# Altium PCB bas_Pcb.PcbDoc (part 1 of 2)
Units mil, origin at the board's own origin, x right, y up, seen from the top; angles counter-clockwise.
Board outline 4560 x 3935 mil, 4 copper layers (Top Layer, Int1 (GND), Int2 (PWR), Bottom Layer), stack 53.912 mil thick; 125 components, 87 nets, 449 pads, 123 vias.
Unrouted connection lines stored in the file: 1.
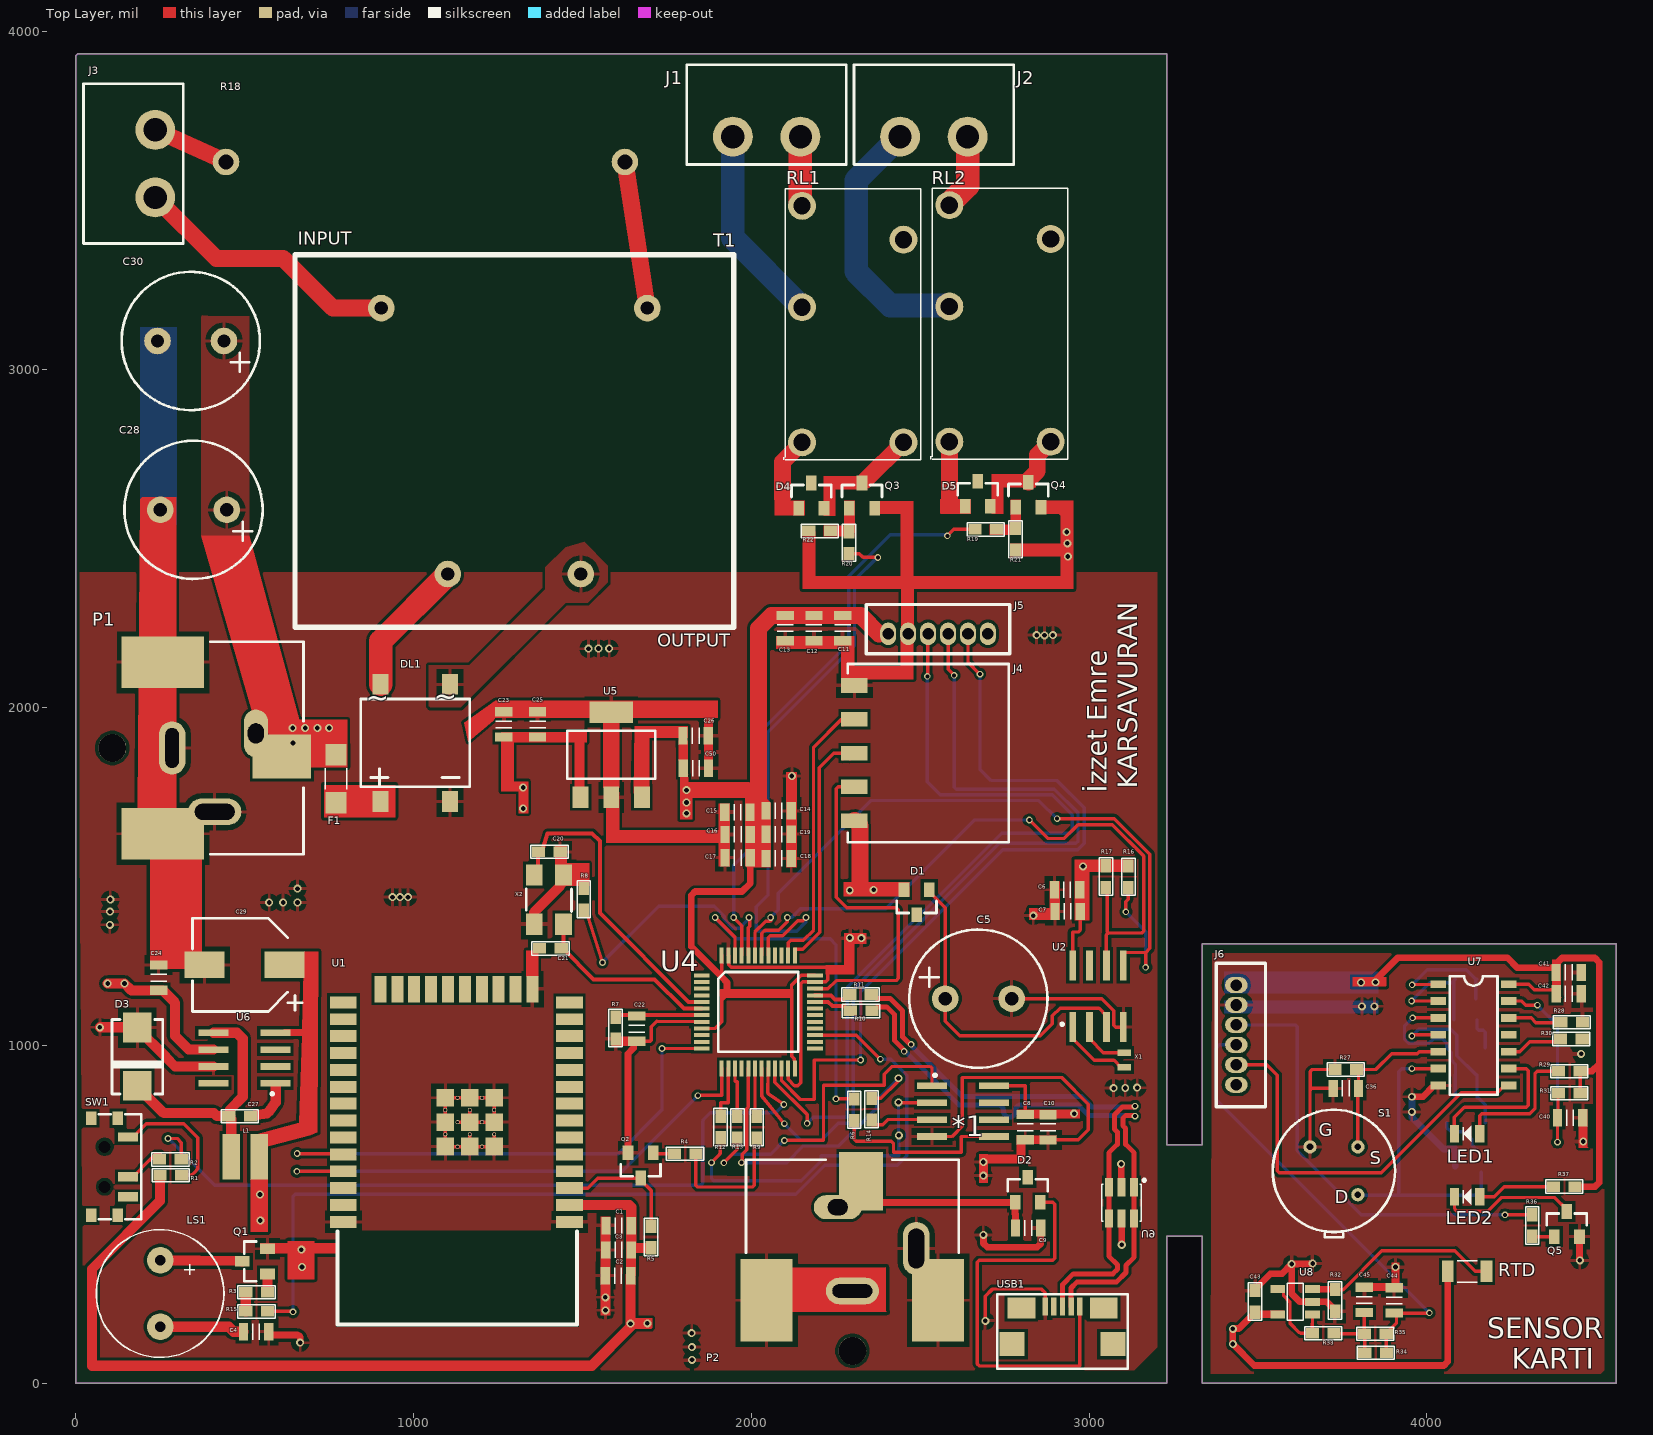
[diagram p0: Top Layer view]
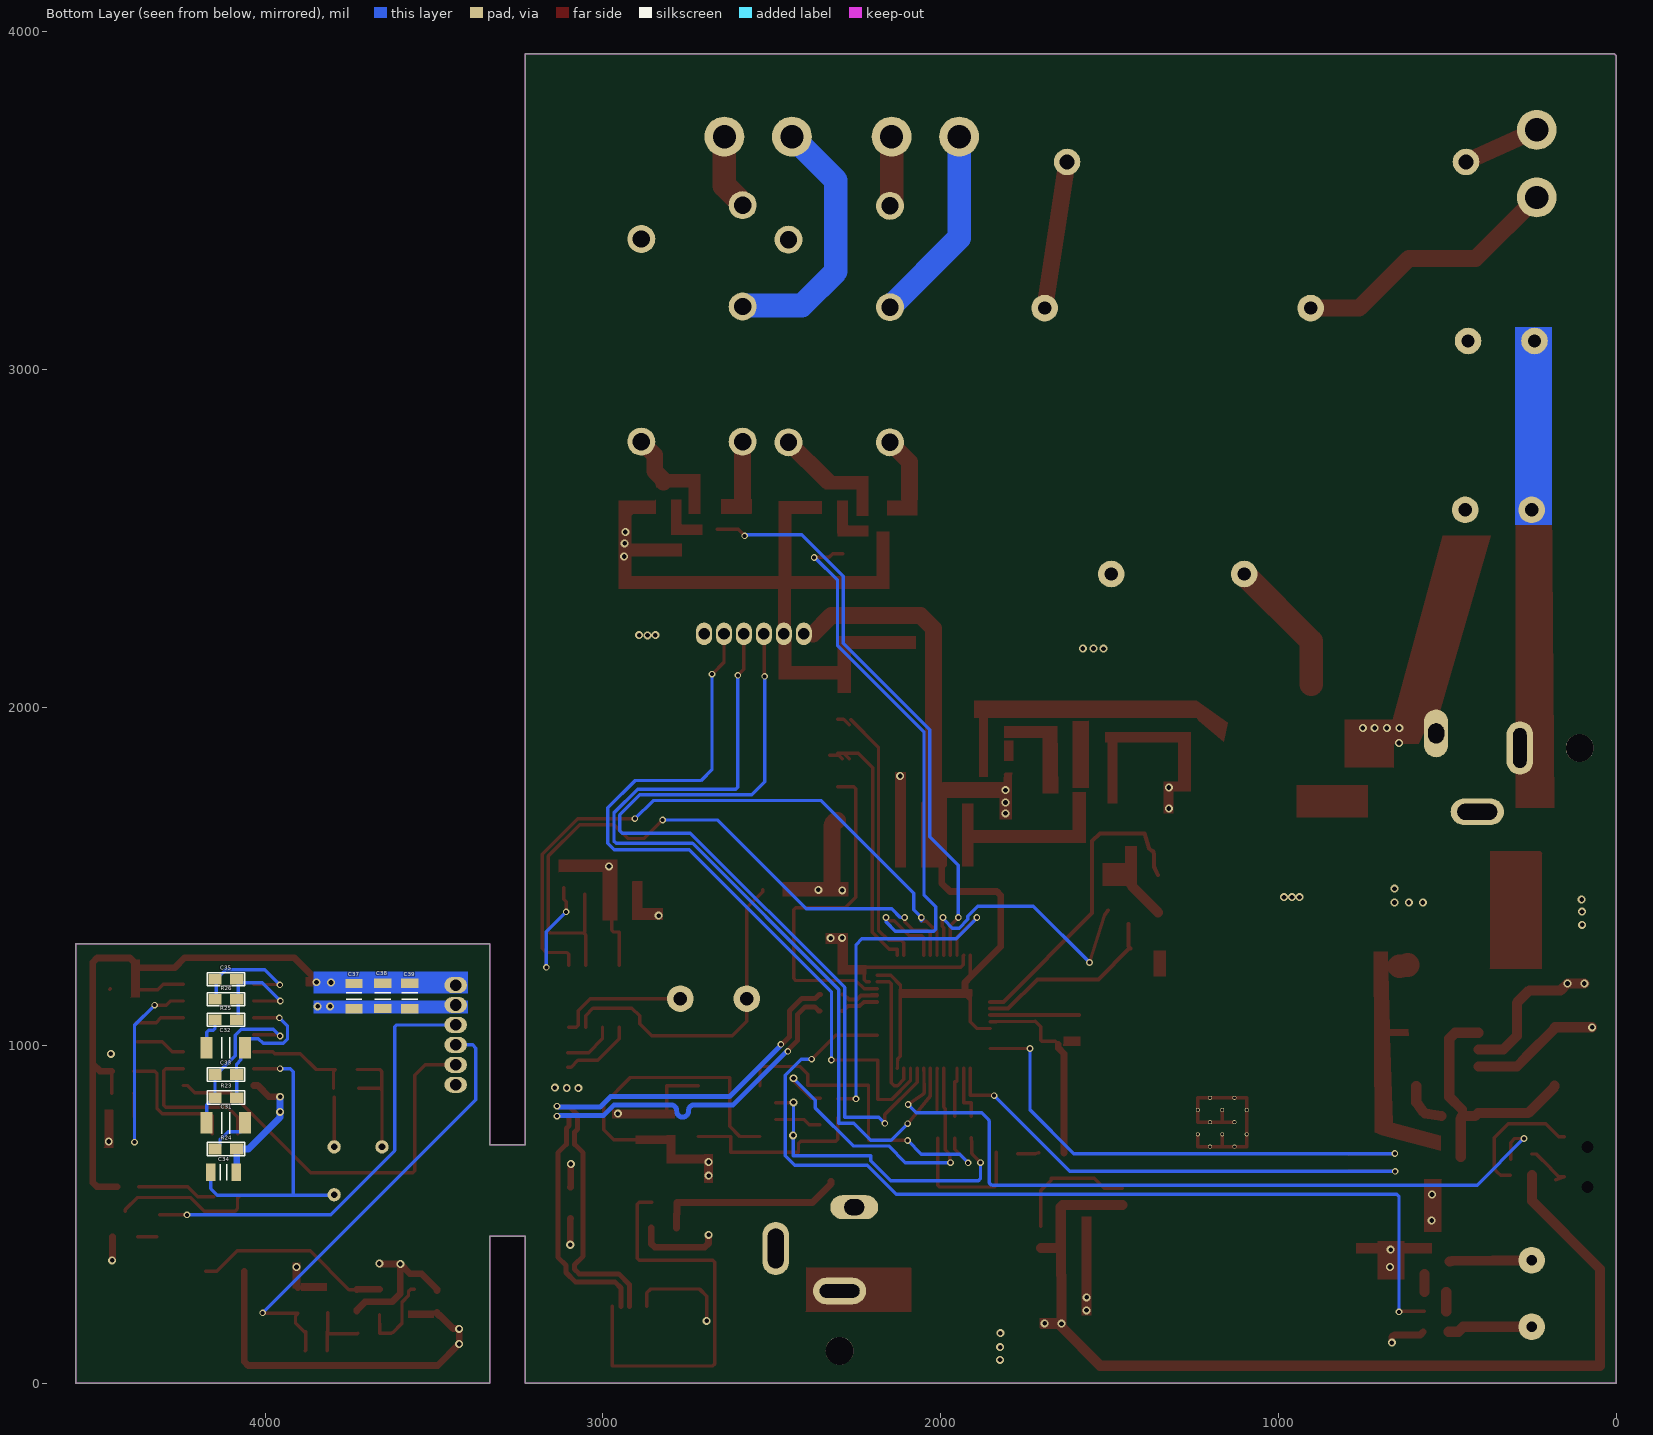
[diagram p1: Bottom Layer view, seen from below]
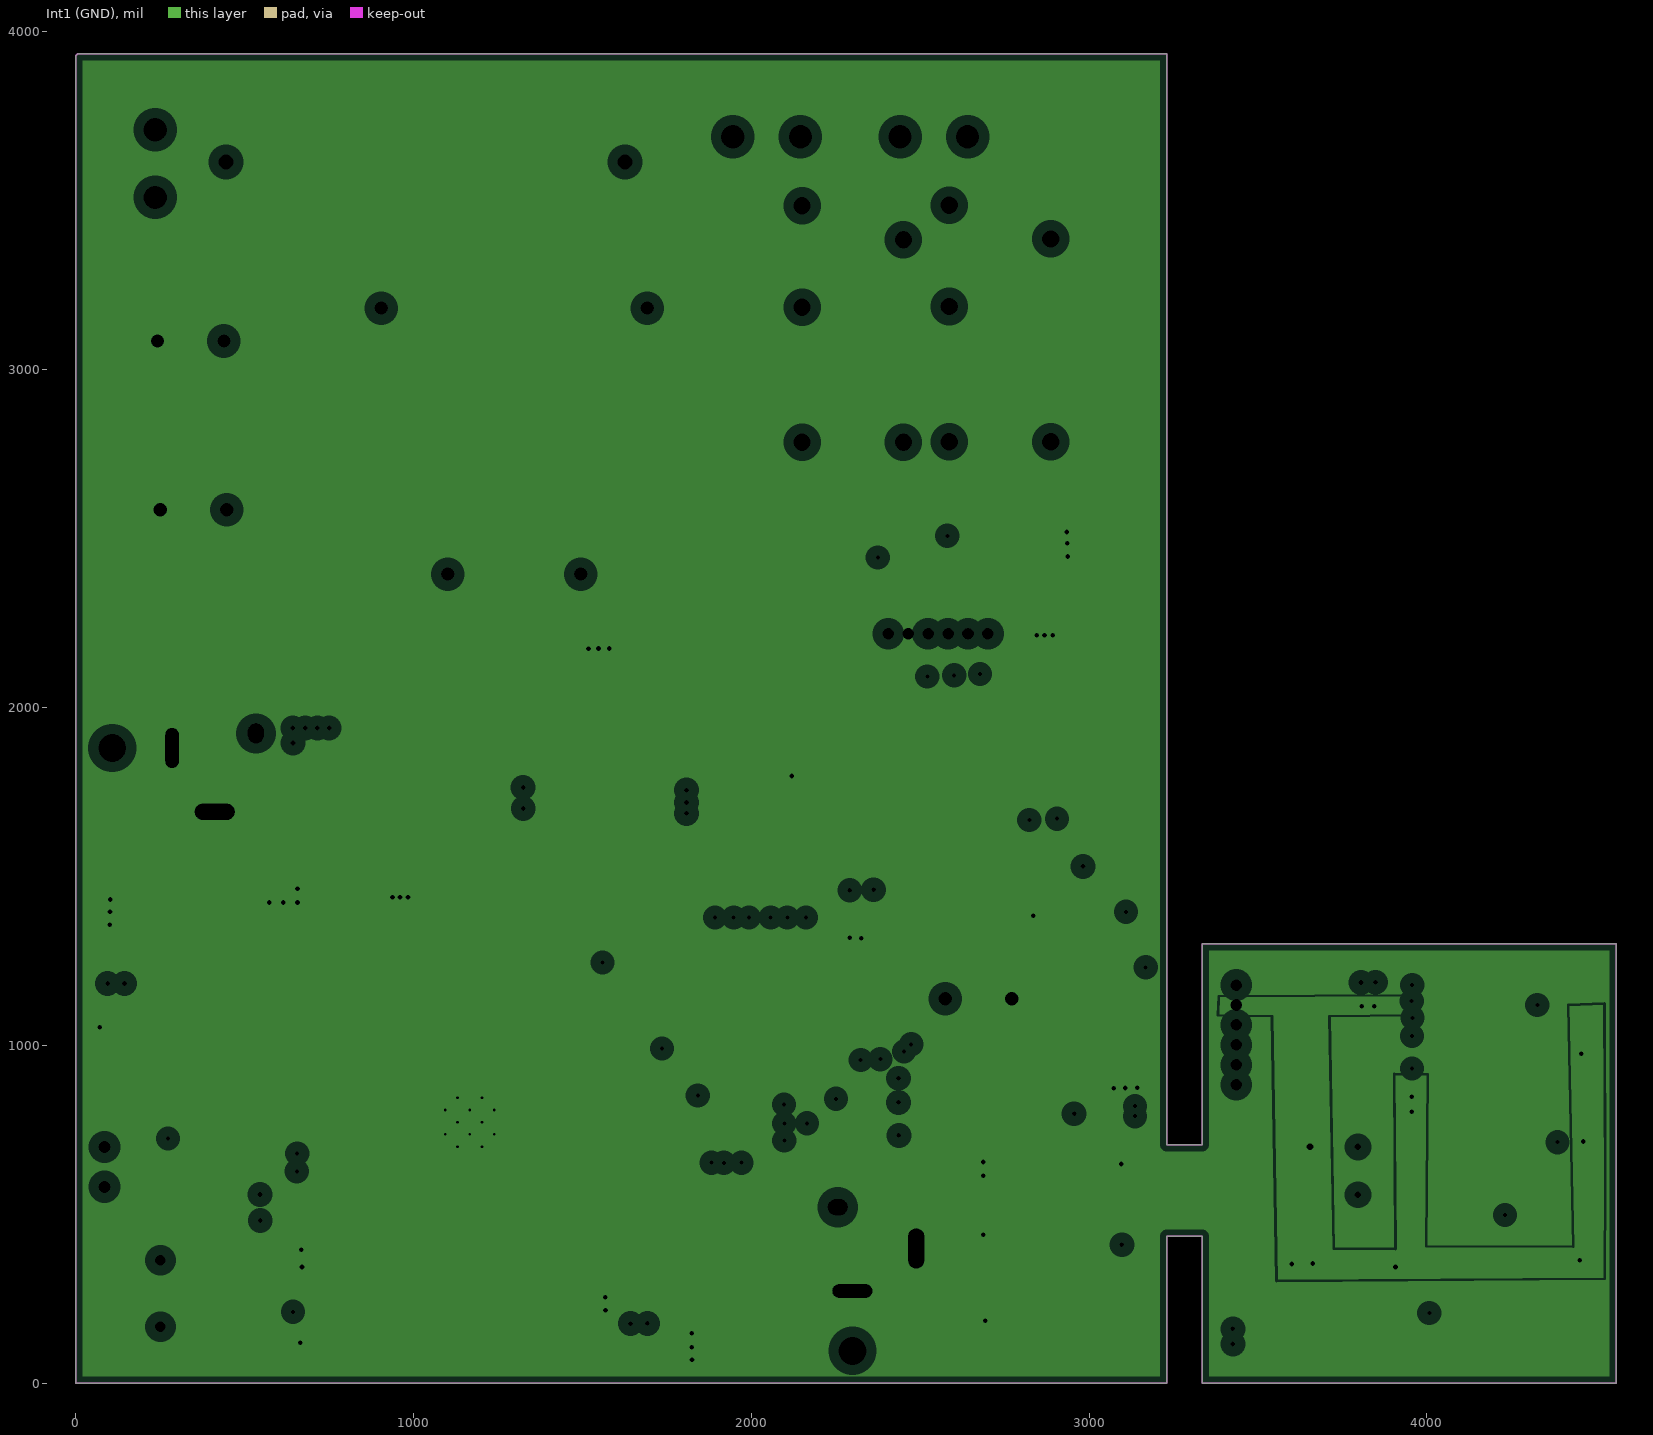
[diagram p2: Int1 (GND), clearances drawn from the general rule]
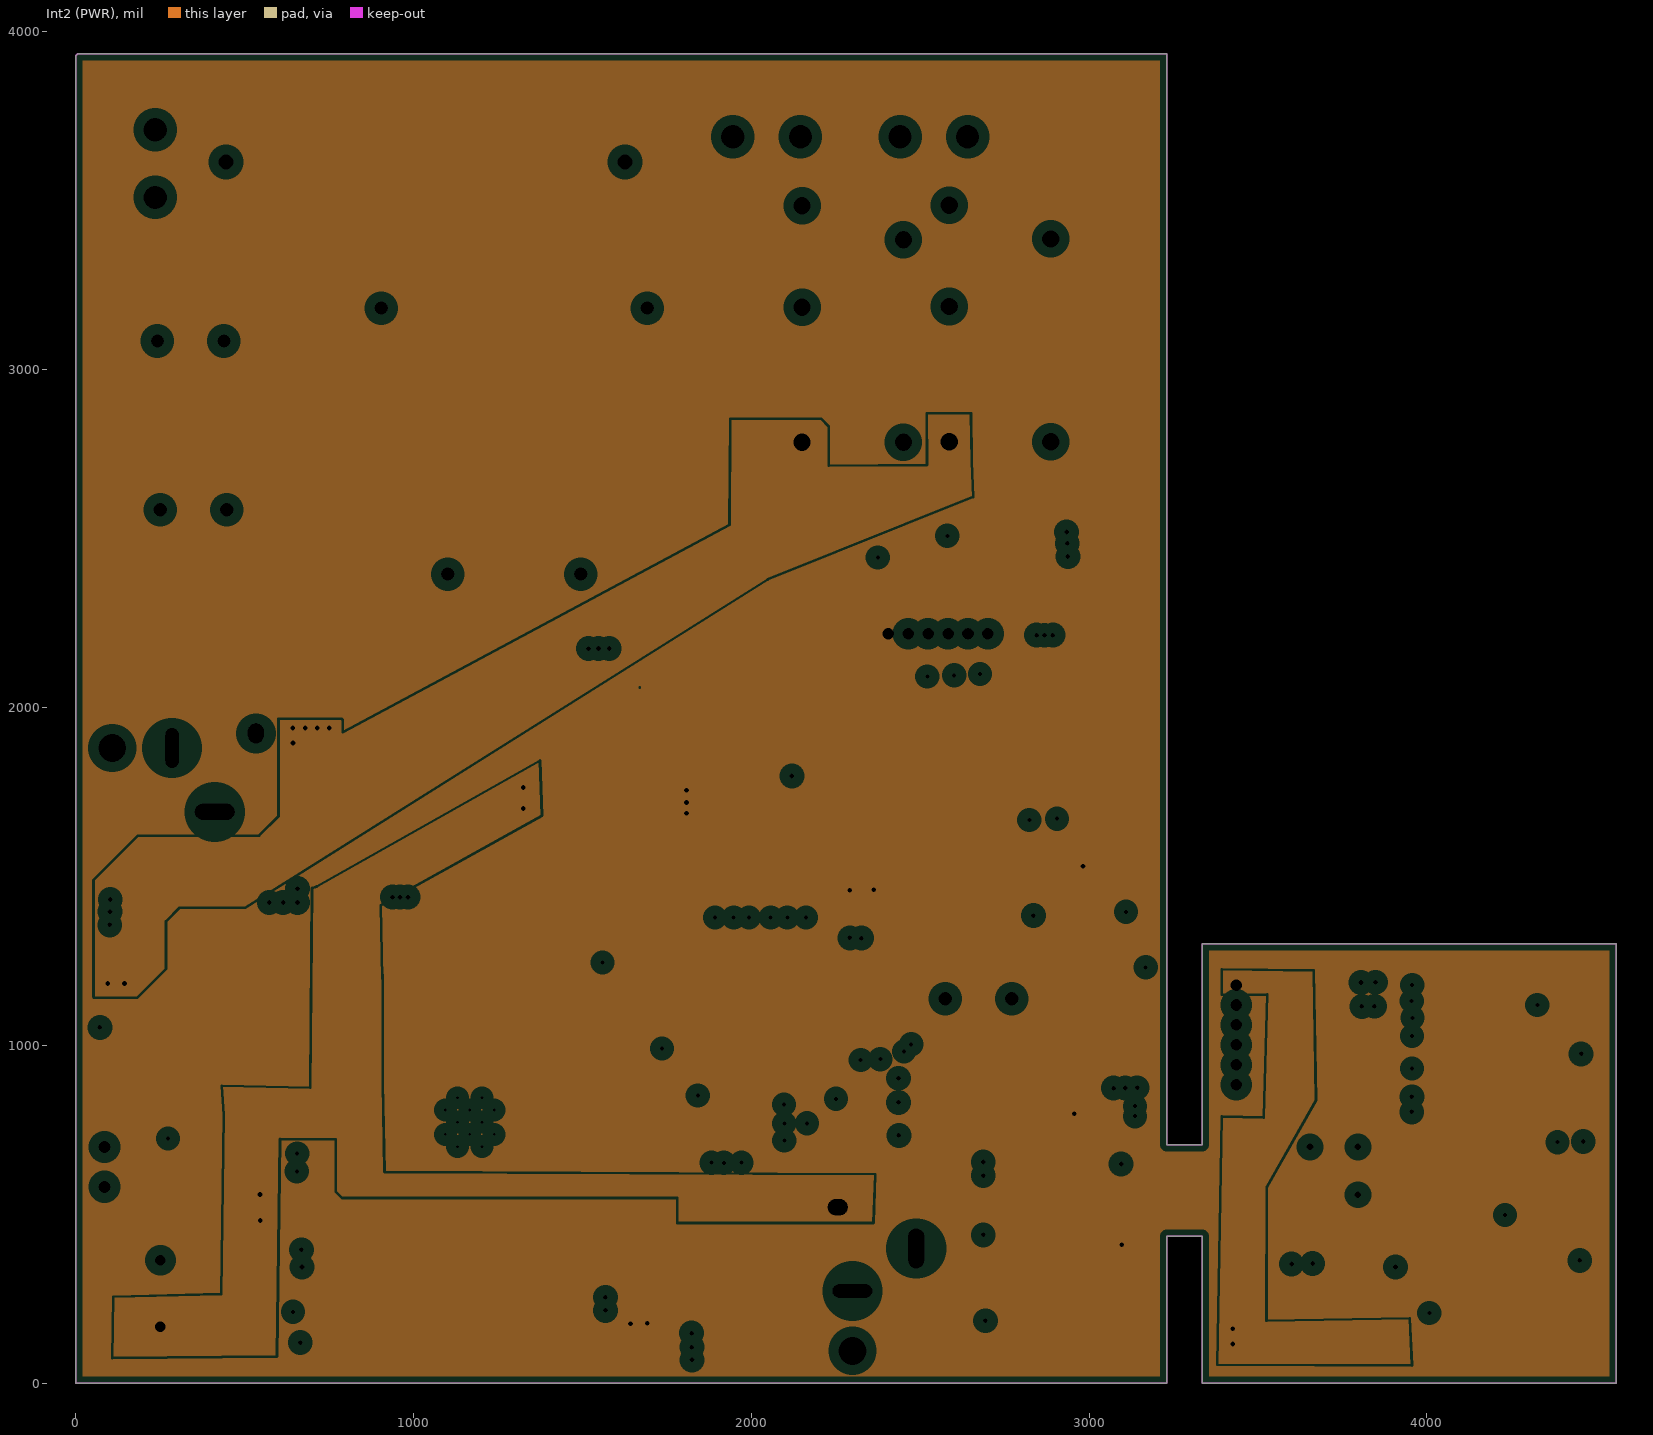
[diagram p3: Int2 (PWR), clearances drawn from the general rule]
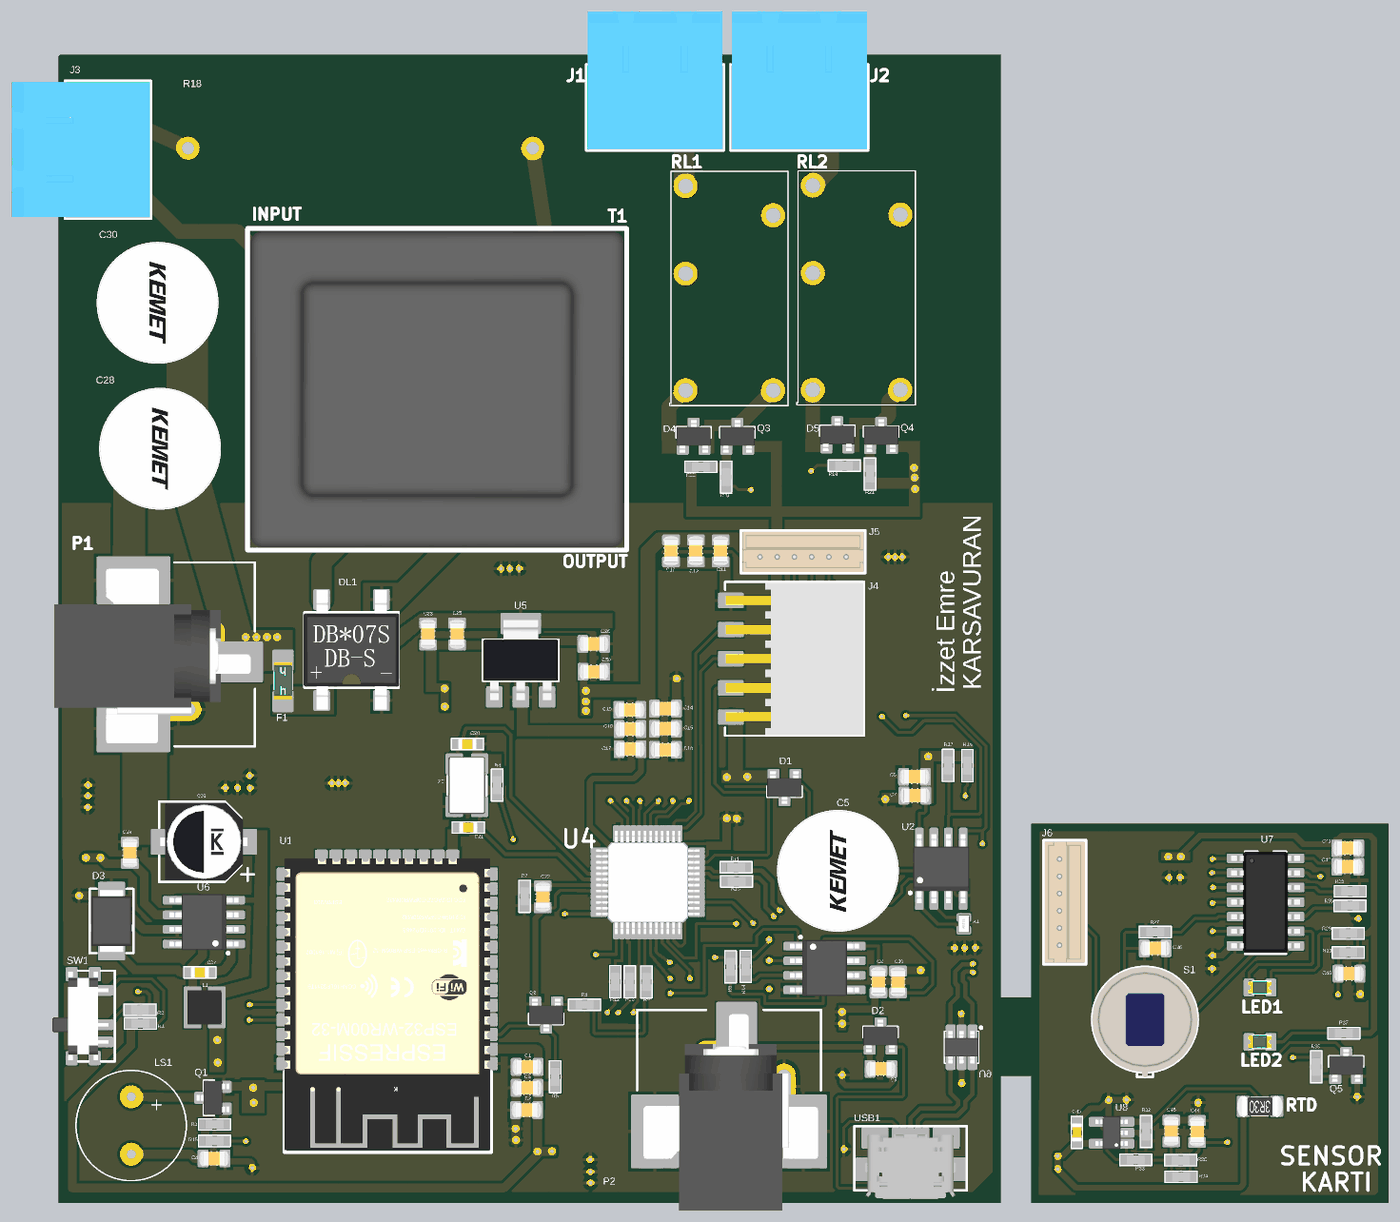
[diagram p5: 3D render of the assembled board from above, using the file's embedded part models]
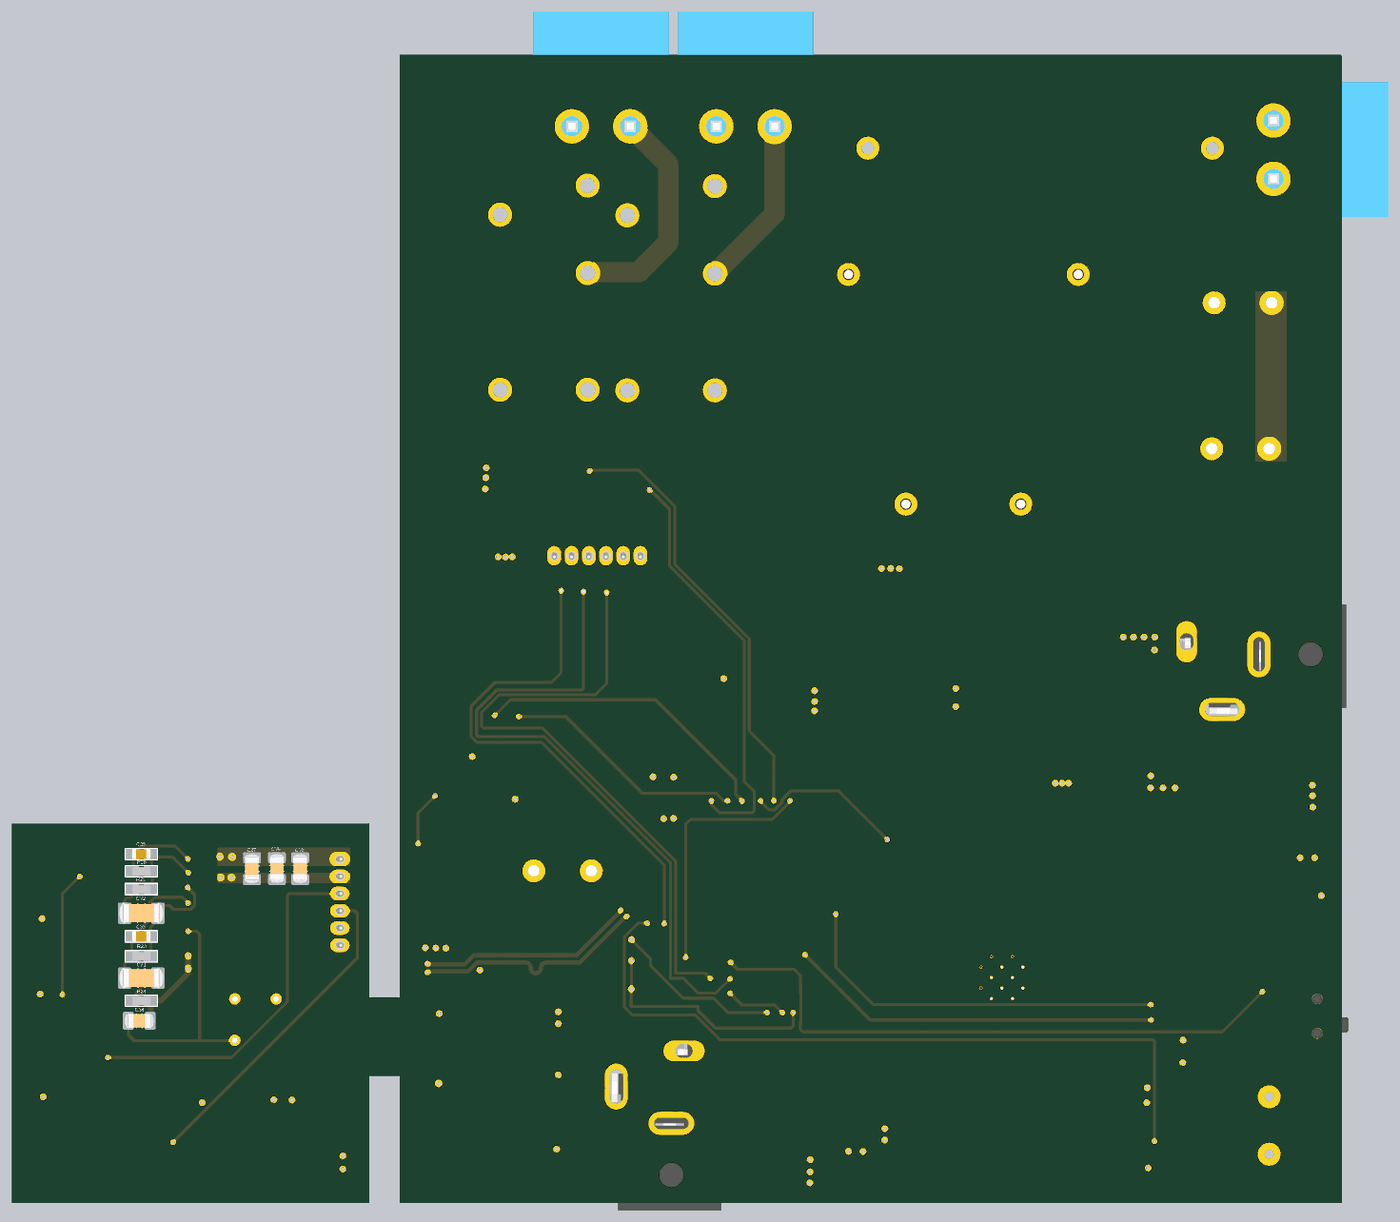
[diagram p6: 3D render of the assembled board from below, using the file's embedded part models]

## Layer stack, top to bottom
Top Solder: solder mask 1, SM-001, Dk 4
Top Layer: signal copper 1.378
Dielectric 1: prepreg 5.1, PP-017, Dk 4.3
Dielectric 2: prepreg 5.1, PP-017, Dk 4.3
Int1 (GND): plane copper 1.378, net GND
Dielectric 3: core 28, Core-039, Dk 4.8
Int2 (PWR): plane copper 1.378, net (Multiple Nets)
Dielectric 4: prepreg 5.1, PP-017, Dk 4.3
Dielectric 5: prepreg 5.1, PP-017, Dk 4.3
Bottom Layer: signal copper 1.378
Bottom Solder: solder mask 1, SM-001, Dk 4

## Board outline
0,0 3230,0 3230,435 3335,435 3335,0 4560,0 4560,1300 3335,1300 3335,705 3230,705 3230,3935 5,3935 0,3930

## Design rules (kind name [scope] priority, off if disabled: settings)
Clearance [All] p1: gap=9 ignorepadtopadclearanceinfootprint=TRUE except(0: Arc-Text Track-Text SMDPad-Text THPad-Text Via-Text Fill-Text Poly-Text Region-Text Text-Text Text-Hole; 7: Arc-Arc Arc-Track Arc-SMDPad Arc-Via Track-Track Track-SMDPad Track-Via; 8: SMDPad-SMDPad SMDPad-THPad THPad-THPad; 10: Arc-THPad Track-THPad SMDPad-Via THPad-Via Via-Via)
ComponentClearance [All] p1: gap=5 collisioncheckmode=3 verticalgap=10 showdistances=FALSE
DiffPairsRouting DiffPairsRouting_1 [InDifferentialPair('USB')] p1: maxlimit=10 minlimit=10 mostfreqgap=10 toplayer_minwidth=14.7 toplayer_maxwidth=14.7 toplayer_prefwidth=14.7 bottomlayer_minwidth=14.7 bottomlayer_maxwidth=14.7 bottomlayer_prefwidth=14.7 impedanceprofiledriven=TRUE impedanceprofileid={99F1C443-6BA2-4E3B-9DAB-6DED4BDDD03E} impedanceprofilevalue=90.000000 maxuncoupledlength=500
DiffPairsRouting [InDifferentialPair('MCU')] p2: maxlimit=7 minlimit=7 mostfreqgap=7 toplayer_minwidth=12 toplayer_maxwidth=12 toplayer_prefwidth=12 bottomlayer_minwidth=12 bottomlayer_maxwidth=12 bottomlayer_prefwidth=12 impedanceprofiledriven=TRUE impedanceprofileid={0457C79F-F300-4ED7-9D96-3ACEC815BB65} impedanceprofilevalue=90.000000 maxuncoupledlength=500
MinimumSolderMaskSliver [All] p1: minsoldermaskwidth=5
NetAntennae [All] p1: netantennaetolerance=10
PasteMaskExpansion [All] p1: expansion=5
PlaneClearance [All] p1: clearance=30
PlaneConnect [All] p1: planeconnectstyle=Relief reliefexpansion=15 reliefentries=4 reliefconductorwidth=15 reliefairgap=10
PolygonConnect [All] p1: connectstyle=Relief reliefconductorwidth=10 reliefentries=4 polygonreliefangle="90 Angle" airgapwidth=15
RoutingCorners [All] p1: cornerstyle=45-Degree minsetback=80 maxsetback=80
RoutingVias [All] p1: holewidth=11.81 width=19.68 viastyle="Through Hole" minholewidth=9.84 minwidth=15.75 maxholewidth=19.68 maxwidth=39.37
SMDEntry [All] p1: side=TRUE corner=TRUE anyangle=FALSE
SMDToCorner [All] p1: distance=10000
SMDToPlane [All] p1: distance=10000
SilkToSilkClearance [All] p1: silktosilkclearance=0
SilkToSolderMaskClearance [IsPad] p1: minsilkscreentomaskgap=5 clearancetoexposedcopper=TRUE
SolderMaskExpansion [All] p1: expansion=1.97 istentingtop=FALSE
UnRoutedNet [All] p1: checkbadconnections=TRUE
Width [All] p1: maxlimit=80 minlimit=8 preferedwidth=11 minimp=50.000000 maximp=50.000000 favimp=50.000000
19 further rules are at their usual default settings.

## Classes and differential pairs
component class Sensor_Board: *2 C31 C32 C33 C34 C35 C36 C37 C38 C39 C40 C41 C42 C43 C44 C45 J6 LED1 LED2 Q5 R23 R24 R25 R26 R27 R28 R29 R30 R31 R32 R33 R34 R35 R36 R37 S1 U7 U8
component class "Power Management_1": C23 C24 C25 C26 C27 C28 C29 C30 C50 D3 D4 D5 DL1 F1 L1 Q3 Q4 R18 R19 R20 R21 R22 RL1 RL2 T1 U5 U6
component class Other_Componentt: *1 C1 C2 C3 C4 C5 C6 C7 C8 C9 C10 C11 C12 C13 D1 D2 J1 J2 J3 J4 J5 LS1 P1 P2 Q1 Q2 R1 R2 R3 R4 R5 R6 SW1 U1 U2 U9 USB1 X1
component class Microcontroller: C14 C15 C16 C17 C18 C19 C20 C21 C22 R7 R8 R9 R10 R11 R12 R13 R14 R15 R16 R17 U4 X2
differential pair MCU: +MCU_P -MCU_N
differential pair USB: +USB_P -USB_N
